# KiCad board FrontEnd_5G.kicad_pcb (continued)
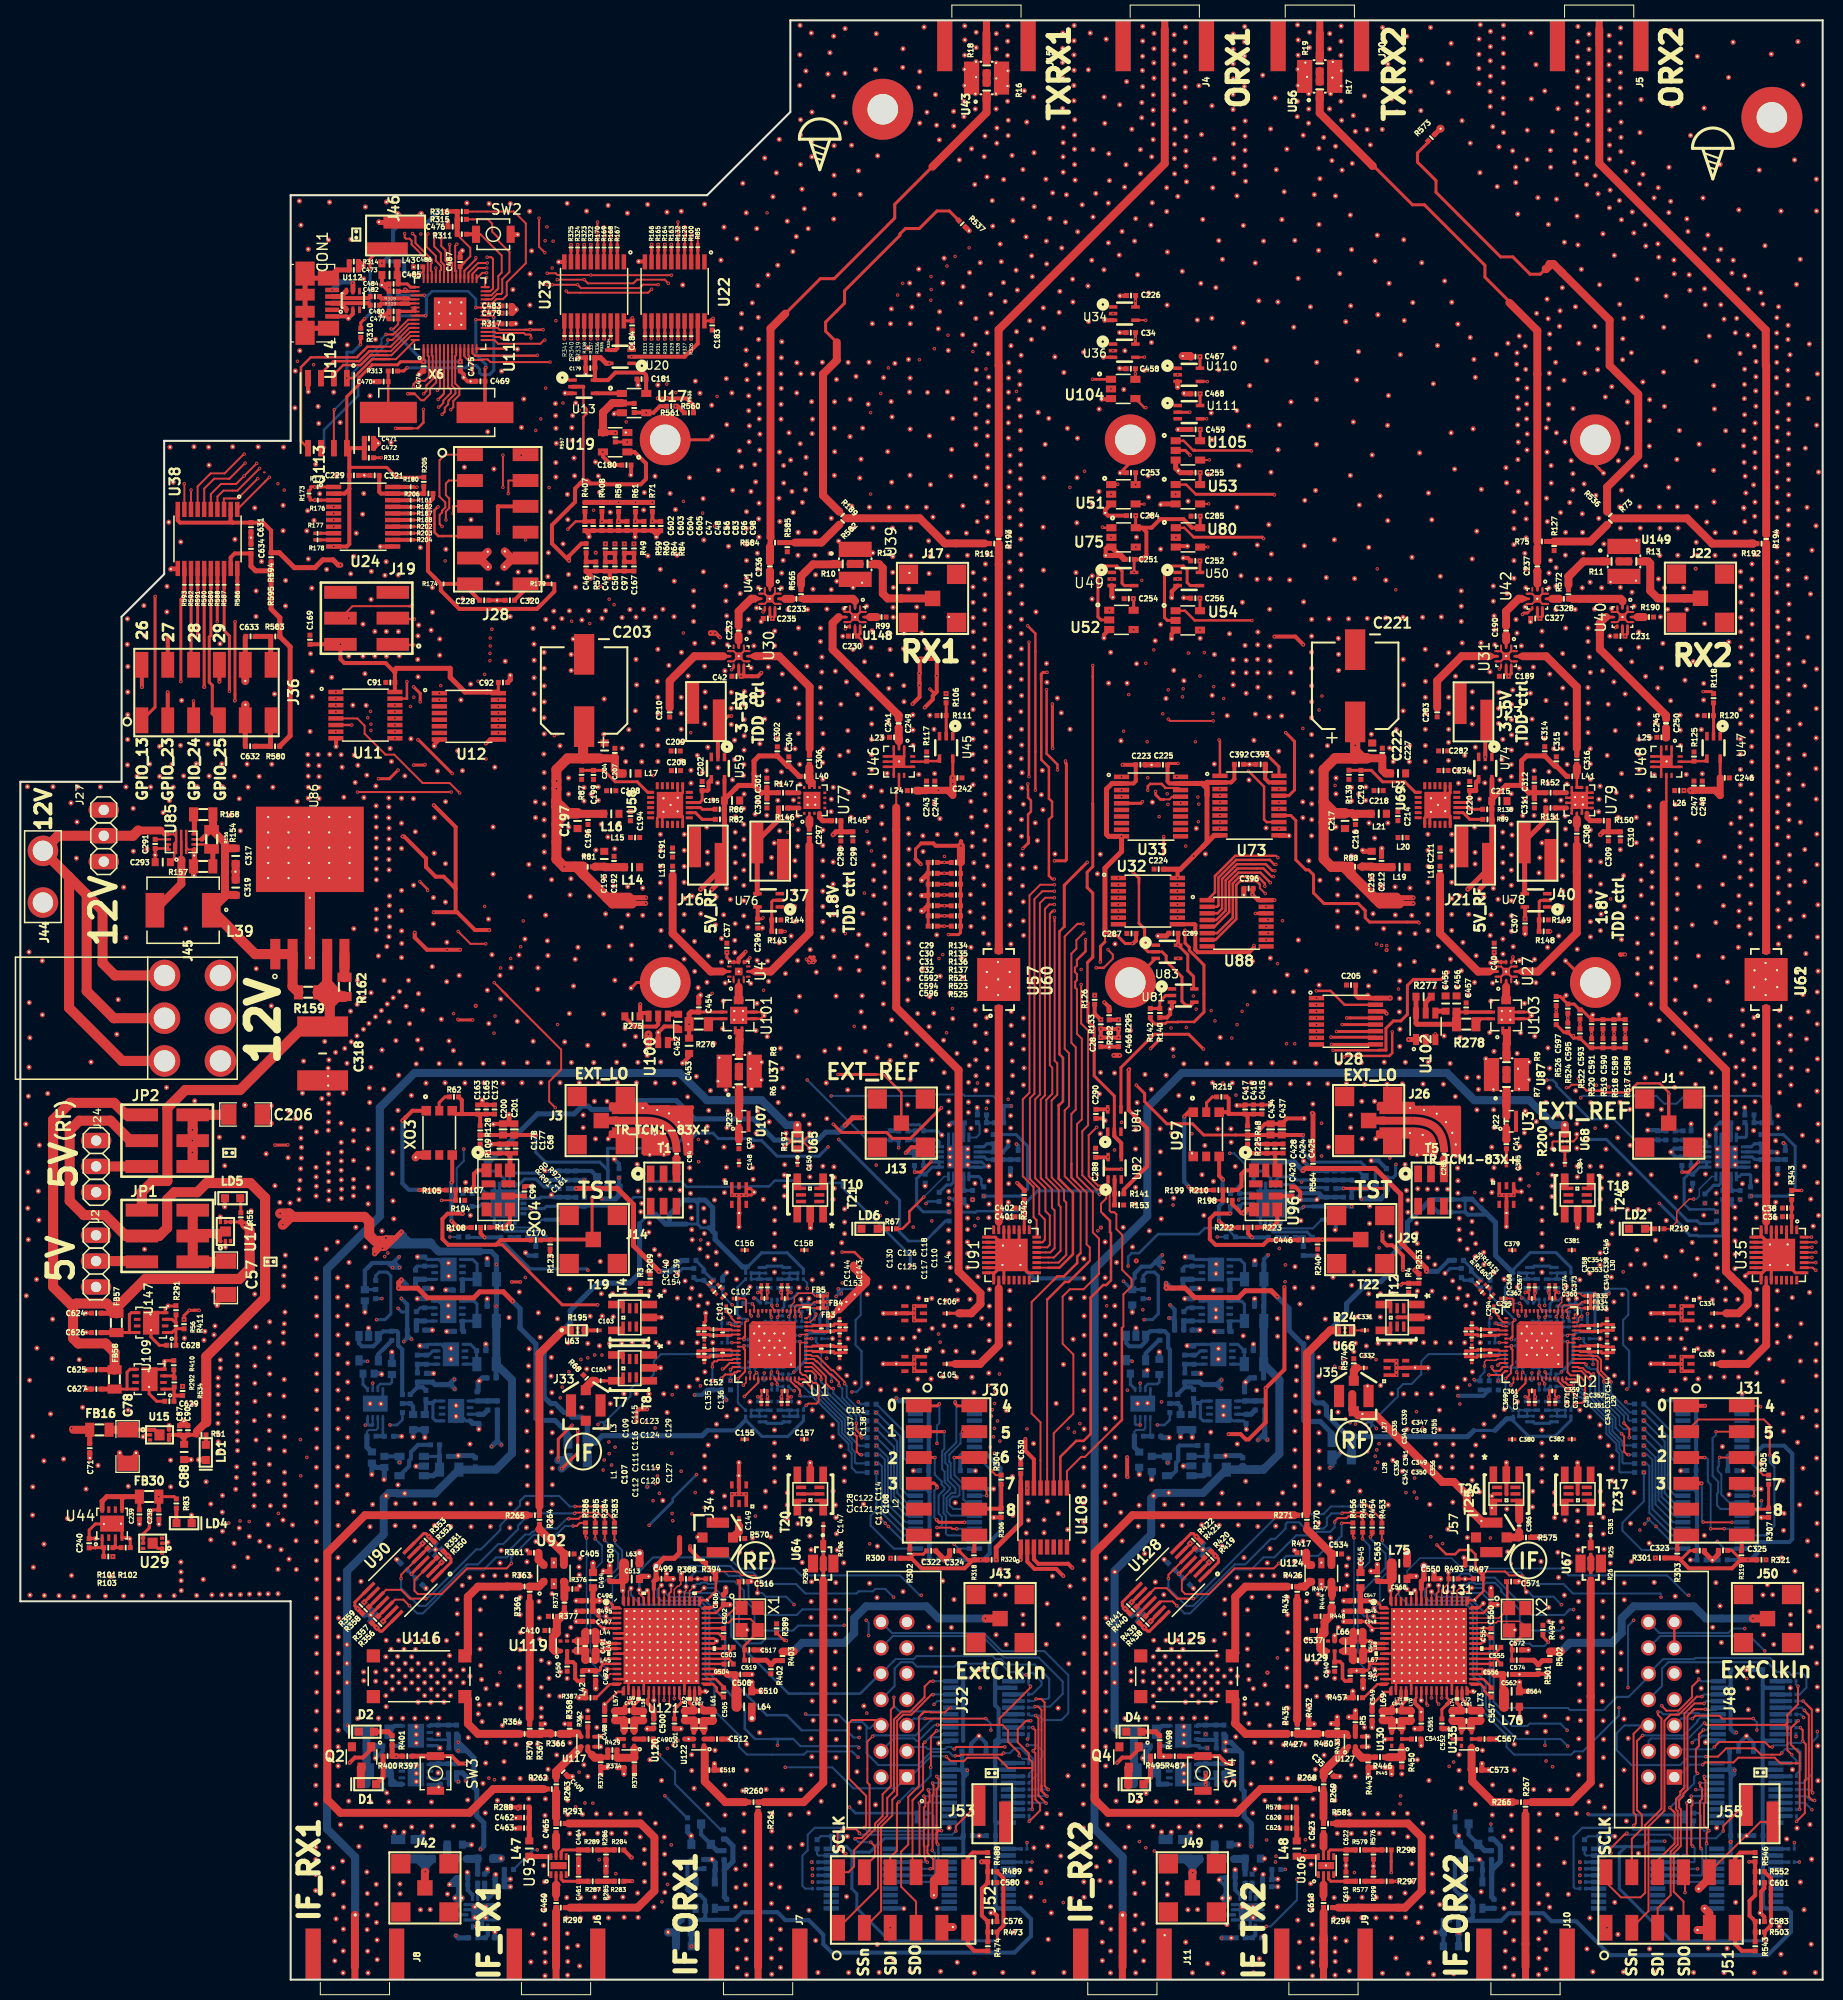
[diagram p0: board, top side]
## Nets (continued)
GND: C1.2 C2.2 C3.2 C4.2 C5.2 C6.2 C7.2 C8.2 C9.2 C10.2 C11.2 C12.2 C13.2 C14.2 C15.2 C16.2 C17.2 C18.2 C19.2 C20.2 C21.2 C22.2 C23.2 C24.2 C25.2 C26.2 C27.2 C28.1 C29.1 C30.1 C31.1 C32.1 C33.2 C34.1 C35.1 C36.2 C37.1 C38.2 C40.1 C42.1 C43.2 C44.2 C45.2 C46.2 C47.2 C48.2 C49.2 C50.2 C51.2 C52.2 C53.2 C54.2 C55.2 C56.2 C57.2 C58.2 C59.1 C60.2 C61.2 C62.2 C63.2 C64.2 C65.2 C66.2 C67.2 C68.2 C69.2 C71.2 C72.2 C73.1 C74.1 C75.2 C76.2 C77.2 C78.2 C80.2 C81.2 C82.1 C83.2 C86.2 C87.2 C88.2 C90.2 C91.2 C92.2 C93.2 C95.2 C96.2 C97.2 C98.2 C99.2 C111.1 C112.2 C113.1 C114.2 C115.1 C116.2 C117.1 C118.2 C131.2 C132.2 C133.2 C134.2 C141.2 C142.2 C145.2 C146.2 C159.1 C160.2 C163.2 C164.2 C165.1 C166.1 C167.2 C168.2 C169.2 C173.1 C174.1 C175.2 C176.2 C177.1 C178.1 C179.2 C180.2 C181.2 C182.2 C183.2 C184.2 C185.2 C186.2 C187.2 C188.2 C189.1 C192.1 C193.1 C195.2 C196.2 C197.2 C198.2 C199.1 C200.2 C201.2 C202.2 C203.2 C204.2 C205.2 C206.2 C207.2 C208.2 C209.2 C212.1 C213.1 C215.2 C216.2 C217.2 C218.2 C219.1 C220.2 C221.2 C222.2 C223.2 C224.2 C225.2 C226.1 C227.2 C228.2 C229.2 C230.1 C231.1 C234.2 C235.1 C238.2 C239.2 C240.2 C242.1 C243.2 C244.2 C246.1 C247.2 C248.2 C251.1 C252.1 C253.1 C254.1 C255.1 C256.1 C257.2 C258.2 C259.2 C260.2 C261.2 C262.2 C263.2 C264.2 C265.2 C266.2 C267.2 C268.2 C269.2 C270.2 C271.2 C272.2 C273.2 C274.2 C275.2 C276.2 C277.2 C278.2 C279.2 C280.2 C281.2 C282.2 C284.1 C285.1 C287.1 C288.1 C289.1 C290.1 C291.2 C293.1 C296.1 C298.1 C299.1 C300.2 C301.1 C302.1 C304.1 C305.2 C307.1 C309.1 C310.1 C311.2 C312.1 C314.1 C315.1 C317.1 C318.2 C319.1 C320.2 C321.2 C322.2 C323.2 C324.2 C325.2 C326.2 C327.1 C329.2 C330.2 C339.1 C340.2 C341.1 C342.2 C343.1 C344.2 C345.1 C346.2 C363.2 C364.2 C365.2 C366.2 C375.2 C376.2 C377.2 C378.2 C387.2 C388.2 C389.2 C390.2 C391.2 C392.2 C393.2 C394.2 C395.2 C396.2 C397.1 C398.1 C399.1 C400.1 C401.2 C402.2 C403.1 C404.1 C405.1 C406.1 C407.1 C408.1 C409.1 C410.2 C411.1 C412.2 C413.2 C414.2 C415.2 C416.2 C417.2 C418.2 C420.2 C421.2 C422.2 C423.2 C424.2 C425.2 C426.1 C428.2 C429.2 C431.2 C432.2 C434.2 C436.2 C437.2 C439.2 C441.2 C442.2 C443.2 C444.2 C445.2 C447.2 C448.2 C449.2 C450.2 C451.2 C452.2 C453.1 C454.1 C455.2 C456.1 C457.1 C458.1 C459.1 C461.2 C462.1 C463.1 C464.1 C466.1 C467.1 C468.1 C469.2 C470.2 C471.2 C472.2 C473.2 C474.2 C475.2 C476.2 C477.2 C478.1 C479.1 C480.2 C481.1 C482.2 C483.1 C484.1 C485.1 C486.2 C487.2 C488.2 C489.2 C490.2 C492.2 C494.1 C495.2 C496.1 C497.2 C498.2 C499.1 C500.2 C501.2 C506.1 C508.1 C509.1 C510.1 C512.1 C513.1 C515.1 C516.2 C517.2 C518.1 C520.2 C521.1 C522.2 C523.1 C524.1 C525.2 C526.2 C527.1 C528.1 C529.1 C530.1 C531.1 C532.1 C533.1 C534.1 C535.2 C536.1 C537.2 C538.1 C539.1 C540.2 C541.2 C543.2 C545.1 C546.2 C547.1 C548.2 C549.2 C550.1 C551.2 C552.2 C559.1 C560.1 C562.1 C563.1 C564.1 C565.2 C566.1 C567.1 C568.1 C569.2 C570.1 C571.2 C572.2 C573.1 C575.2 C576.2 C577.2 C578.2 C579.2 C580.2 C581.2 C582.1 C583.2 C584.2 C585.2 C586.2 C587.2 C588.1 C589.1 C590.1 C591.1 C592.1 C593.1 C594.1 C595.1 C596.1 C597.1 C598.2 C599.2 C600.2 C601.2 C602.2 C603.2 C604.2 C605.2 C606.2 C607.2 C608.2 C609.2 C610.1 C611.2 C612.2 C613.2 C614.2 C615.2 C616.1 C617.2 C619.2 C620.1 C621.1 C622.1 C624.2 C625.2 C626.2 C627.2 C628.2 C629.2 C630.2 C631.2 C632.2 C633.2 C634.2 CON1.5 D2.2 D4.2 GND_VIA.1 GND_VIA#3.1 GND_VIA#4.1 GND_VIA#5.1 GND_VIA#6.1 GND_VIA#7.1 GND_VIA#8.1 GND_VIA#9.1 GND_VIA#10.1 GND_VIA#11.1 GND_VIA#12.1 GND_VIA#13.1 GND_VIA#14.1 GND_VIA#15.1 GND_VIA#16.1 GND_VIA#17.1 GND_VIA#20. GND_VIA#21. GND_VIA#22. GND_VIA#23. GND_VIA#24. GND_VIA#25. GND_VIA#26. GND_VIA#27. GND_VIA#28. GND_VIA#29. GND_VIA#30. GND_VIA#31. GND_VIA#32. GND_VIA#33. GND_VIA#34. GND_VIA#35. GND_VIA#36. GND_VIA#37. GND_VIA#38. GND_VIA#39. GND_VIA#40. GND_VIA#41. GND_VIA#42. GND_VIA#43. GND_VIA#44. GND_VIA#45. GND_VIA#46. GND_VIA#47. GND_VIA#48. GND_VIA#49. GND_VIA#50. GND_VIA#51. GND_VIA#52. GND_VIA#53. GND_VIA#54. GND_VIA#55. GND_VIA#56. GND_VIA#57. GND_VIA#58. GND_VIA#59. GND_VIA#60. GND_VIA#61. GND_VIA#62. GND_VIA#63. GND_VIA#64. GND_VIA#65. GND_VIA#66. GND_VIA#67. GND_VIA#68. GND_VIA#69. GND_VIA#70. GND_VIA#71. GND_VIA#72. GND_VIA#73. GND_VIA#74. GND_VIA#75. GND_VIA#76. GND_VIA#77. GND_VIA#78. GND_VIA#79. GND_VIA#80. GND_VIA#81. GND_VIA#82. GND_VIA#83. GND_VIA#84. GND_VIA#85. GND_VIA#86. GND_VIA#87. GND_VIA#88. GND_VIA#89. GND_VIA#90. GND_VIA#91. GND_VIA#92. GND_VIA#93. GND_VIA#94. GND_VIA#95. GND_VIA#96. GND_VIA#97. GND_VIA#98. GND_VIA#99. GND_VIA#100. GND_VIA#101. GND_VIA#102. GND_VIA#103. GND_VIA#104. GND_VIA#105. GND_VIA#106. GND_VIA#107. GND_VIA#108. GND_VIA#109. GND_VIA#110. GND_VIA#111. GND_VIA#112. GND_VIA#113. GND_VIA#114. GND_VIA#115. GND_VIA#116. GND_VIA#117. GND_VIA#118. GND_VIA#119. GND_VIA#120. GND_VIA#121. GND_VIA#122. GND_VIA#123. GND_VIA#124. GND_VIA#125. GND_VIA#126. GND_VIA#127. GND_VIA#128. GND_VIA#129. GND_VIA#130. GND_VIA#131. GND_VIA#132. GND_VIA#133. GND_VIA#134. GND_VIA#135. GND_VIA#136. GND_VIA#137. GND_VIA#138. GND_VIA#139. GND_VIA#140. GND_VIA#141. GND_VIA#142. GND_VIA#143. GND_VIA#144. GND_VIA#145. GND_VIA#146. GND_VIA#147. GND_VIA#148. GND_VIA#149. GND_VIA#150. GND_VIA#151. GND_VIA#152. GND_VIA#153. GND_VIA#154. GND_VIA#155. GND_VIA#156. GND_VIA#157. GND_VIA#158. GND_VIA#159. GND_VIA#160. GND_VIA#161. GND_VIA#162. GND_VIA#163. GND_VIA#164. GND_VIA#165. GND_VIA#166. GND_VIA#167. GND_VIA#168. GND_VIA#169. GND_VIA#170. GND_VIA#171. GND_VIA#172. GND_VIA#173. GND_VIA#174. GND_VIA#175. GND_VIA#176. GND_VIA#177. GND_VIA#178. GND_VIA#179. GND_VIA#180. GND_VIA#181. GND_VIA#182. GND_VIA#183. GND_VIA#184. GND_VIA#185. GND_VIA#186. GND_VIA#187. GND_VIA#188. GND_VIA#189. GND_VIA#190. GND_VIA#191. GND_VIA#192. GND_VIA#193. GND_VIA#194. GND_VIA#195. GND_VIA#196. GND_VIA#197. GND_VIA#198. GND_VIA#199. GND_VIA#200. GND_VIA#201. GND_VIA#202. GND_VIA#203. GND_VIA#204. GND_VIA#205. GND_VIA#206. GND_VIA#207. GND_VIA#208. GND_VIA#209. GND_VIA#210. GND_VIA#211. GND_VIA#212. GND_VIA#213. GND_VIA#214. GND_VIA#215. GND_VIA#216. GND_VIA#217. GND_VIA#218. GND_VIA#219. GND_VIA#220. GND_VIA#221. GND_VIA#222. GND_VIA#223. GND_VIA#224. GND_VIA#225. GND_VIA#226. GND_VIA#227. GND_VIA#228. GND_VIA#229. GND_VIA#230. GND_VIA#231. GND_VIA#232. GND_VIA#233. GND_VIA#234. GND_VIA#235. GND_VIA#236. GND_VIA#237. GND_VIA#238. GND_VIA#239. GND_VIA#240. GND_VIA#241. GND_VIA#242. GND_VIA#243. GND_VIA#244. GND_VIA#245. GND_VIA#246. GND_VIA#247. GND_VIA#248. GND_VIA#249. GND_VIA#250. GND_VIA#251. GND_VIA#252. GND_VIA#253. GND_VIA#254. GND_VIA#255. GND_VIA#256. GND_VIA#257. GND_VIA#258. GND_VIA#259. GND_VIA#260. GND_VIA#261. GND_VIA#262. GND_VIA#263. GND_VIA#264. GND_VIA#265. GND_VIA#266. GND_VIA#267. GND_VIA#268. GND_VIA#269. GND_VIA#270. GND_VIA#271. GND_VIA#272. GND_VIA#273. GND_VIA#274. GND_VIA#275. GND_VIA#276. GND_VIA#277. GND_VIA#278. GND_VIA#279. GND_VIA#280. GND_VIA#281. GND_VIA#282. GND_VIA#283. GND_VIA#284. GND_VIA#285. GND_VIA#286. GND_VIA#287. GND_VIA#288. GND_VIA#289. GND_VIA#290. GND_VIA#291. GND_VIA#292. GND_VIA#293. GND_VIA#294. GND_VIA#295. GND_VIA#296. GND_VIA#297. GND_VIA#298. GND_VIA#299. GND_VIA#300. GND_VIA#301. GND_VIA#302. GND_VIA#303. GND_VIA#304. GND_VIA#305. GND_VIA#306. GND_VIA#307. GND_VIA#308. GND_VIA#309. GND_VIA#310. GND_VIA#311. GND_VIA#312. GND_VIA#313. GND_VIA#314. GND_VIA#315. GND_VIA#316. GND_VIA#317. GND_VIA#318. GND_VIA#319. GND_VIA#320. GND_VIA#321. GND_VIA#322. GND_VIA#323. GND_VIA#324. GND_VIA#325. GND_VIA#326. GND_VIA#327. GND_VIA#328. GND_VIA#329. GND_VIA#330. GND_VIA#331. GND_VIA#332. GND_VIA#333. GND_VIA#334. GND_VIA#335. GND_VIA#336. GND_VIA#337. GND_VIA#338. GND_VIA#339. GND_VIA#340. GND_VIA#341. GND_VIA#342. GND_VIA#343. GND_VIA#344. GND_VIA#345. GND_VIA#346. GND_VIA#347. GND_VIA#348. GND_VIA#349. GND_VIA#350. GND_VIA#351. GND_VIA#352. GND_VIA#353. GND_VIA#354. GND_VIA#355. GND_VIA#356. GND_VIA#357. GND_VIA#358. GND_VIA#359. GND_VIA#360. GND_VIA#361. GND_VIA#362. GND_VIA#363. GND_VIA#364. GND_VIA#365. GND_VIA#366. GND_VIA#367. GND_VIA#368. GND_VIA#369. GND_VIA#370. GND_VIA#371. GND_VIA#372. GND_VIA#373. GND_VIA#374. GND_VIA#375. GND_VIA#376. GND_VIA#377. GND_VIA#378. GND_VIA#379. GND_VIA#380. GND_VIA#381. GND_VIA#382. GND_VIA#383. GND_VIA#384. GND_VIA#385. GND_VIA#386. GND_VIA#387. GND_VIA#388. GND_VIA#389. GND_VIA#390. GND_VIA#391. GND_VIA#392. GND_VIA#393. GND_VIA#394. GND_VIA#395. GND_VIA#396. GND_VIA#397. GND_VIA#398. GND_VIA#399. GND_VIA#400. GND_VIA#401. GND_VIA#402. GND_VIA#403. GND_VIA#404. GND_VIA#405. GND_VIA#406. GND_VIA#407. GND_VIA#408. GND_VIA#409. GND_VIA#410. GND_VIA#411. GND_VIA#412. GND_VIA#413. GND_VIA#414. GND_VIA#415. GND_VIA#416. GND_VIA#417. GND_VIA#418. GND_VIA#419. GND_VIA#420. GND_VIA#421. GND_VIA#422. GND_VIA#423. GND_VIA#424. GND_VIA#425. GND_VIA#426. GND_VIA#427. GND_VIA#428. GND_VIA#429. GND_VIA#430. GND_VIA#431. GND_VIA#432. GND_VIA#433. GND_VIA#434. GND_VIA#435. GND_VIA#436. GND_VIA#437. GND_VIA#438. GND_VIA#439. GND_VIA#440. GND_VIA#441. GND_VIA#442. GND_VIA#443. GND_VIA#444. GND_VIA#445. GND_VIA#446. GND_VIA#447. GND_VIA#448. GND_VIA#449. GND_VIA#450. GND_VIA#451. GND_VIA#452. GND_VIA#453. GND_VIA#454. GND_VIA#455. GND_VIA#456. GND_VIA#457. GND_VIA#458. GND_VIA#459. GND_VIA#460. GND_VIA#461. GND_VIA#462. GND_VIA#463. GND_VIA#464. GND_VIA#465. GND_VIA#466. GND_VIA#467. GND_VIA#468. GND_VIA#469. GND_VIA#470. GND_VIA#471. GND_VIA#472. GND_VIA#473. GND_VIA#474. GND_VIA#475. GND_VIA#476. GND_VIA#477. GND_VIA#478. GND_VIA#479. GND_VIA#480. GND_VIA#481. GND_VIA#482. GND_VIA#483. GND_VIA#484. GND_VIA#485. GND_VIA#486. GND_VIA#487. GND_VIA#488. GND_VIA#489. GND_VIA#490. GND_VIA#491. GND_VIA#492. GND_VIA#493. GND_VIA#494. GND_VIA#495. GND_VIA#496. GND_VIA#497. GND_VIA#498. GND_VIA#499. GND_VIA#500. GND_VIA#501. GND_VIA#502. GND_VIA#503. GND_VIA#504. GND_VIA#505. GND_VIA#506. GND_VIA#507. GND_VIA#508. GND_VIA#509. GND_VIA#510. GND_VIA#511. GND_VIA#512. GND_VIA#513. GND_VIA#514. GND_VIA#515. GND_VIA#516. GND_VIA#517. GND_VIA#518. GND_VIA#519. GND_VIA#520. GND_VIA#521. GND_VIA#522. GND_VIA#523. GND_VIA#524. GND_VIA#525. GND_VIA#526. GND_VIA#527. GND_VIA#528. GND_VIA#529. GND_VIA#530. GND_VIA#531. GND_VIA#532. GND_VIA#533. GND_VIA#534. GND_VIA#535. GND_VIA#536. GND_VIA#537. GND_VIA#538. GND_VIA#539. GND_VIA#540. GND_VIA#541. GND_VIA#542. GND_VIA#543. GND_VIA#544. GND_VIA#545. GND_VIA#546. GND_VIA#547. GND_VIA#548. GND_VIA#549. GND_VIA#550. GND_VIA#551. GND_VIA#552. GND_VIA#553. GND_VIA#554. GND_VIA#555. GND_VIA#556. GND_VIA#557. GND_VIA#558. GND_VIA#559. GND_VIA#560. GND_VIA#561. GND_VIA#562. GND_VIA#563. GND_VIA#564. GND_VIA#565. GND_VIA#566. GND_VIA#567. GND_VIA#568. GND_VIA#569. GND_VIA#570. GND_VIA#571. GND_VIA#572. GND_VIA#573. GND_VIA#574. GND_VIA#575. GND_VIA#576. GND_VIA#577. GND_VIA#578. GND_VIA#579. GND_VIA#580. GND_VIA#581. GND_VIA#582. GND_VIA#583. GND_VIA#584. GND_VIA#585. GND_VIA#586. GND_VIA#587. GND_VIA#588. GND_VIA#589. GND_VIA#590. GND_VIA#591. GND_VIA#592. GND_VIA#593. GND_VIA#594. GND_VIA#595. GND_VIA#596. GND_VIA#597. GND_VIA#598. GND_VIA#599. GND_VIA#600. GND_VIA#601. GND_VIA#602. GND_VIA#603. GND_VIA#604. GND_VIA#605. GND_VIA#606. GND_VIA#607. GND_VIA#608. GND_VIA#609. GND_VIA#610. GND_VIA#611. GND_VIA#612. GND_VIA#613. GND_VIA#614. GND_VIA#615. GND_VIA#616. GND_VIA#617. GND_VIA#618. GND_VIA#619. GND_VIA#620. GND_VIA#621. GND_VIA#622. GND_VIA#623. GND_VIA#624. GND_VIA#625. GND_VIA#626. GND_VIA#627. GND_VIA#628. GND_VIA#629. GND_VIA#630. GND_VIA#631. GND_VIA#632. GND_VIA#633. GND_VIA#634. GND_VIA#635. GND_VIA#636. GND_VIA#637. GND_VIA#638. GND_VIA#639. GND_VIA#640. GND_VIA#641. GND_VIA#642. GND_VIA#643. GND_VIA#644. GND_VIA#645. GND_VIA#646. GND_VIA#647. GND_VIA#648. GND_VIA#649. GND_VIA#650. GND_VIA#651. GND_VIA#652. GND_VIA#653. GND_VIA#654. GND_VIA#655. GND_VIA#656. GND_VIA#657. GND_VIA#658. GND_VIA#659. GND_VIA#660. GND_VIA#661. GND_VIA#662. GND_VIA#663. GND_VIA#664. GND_VIA#665. GND_VIA#666. GND_VIA#667. GND_VIA#668. GND_VIA#669. GND_VIA#670. GND_VIA#671. GND_VIA#672. GND_VIA#673. GND_VIA#674. GND_VIA#675. GND_VIA#676. GND_VIA#677. GND_VIA#678. GND_VIA#679. GND_VIA#680. GND_VIA#681. GND_VIA#682. GND_VIA#683. GND_VIA#684. GND_VIA#685. GND_VIA#686. GND_VIA#687. GND_VIA#688. GND_VIA#689. GND_VIA#690. GND_VIA#691. GND_VIA#692. GND_VIA#693. GND_VIA#694. GND_VIA#695. GND_VIA#696. GND_VIA#697. GND_VIA#698. GND_VIA#699. GND_VIA#700. GND_VIA#701. GND_VIA#702. GND_VIA#703. GND_VIA#704. GND_VIA#705. GND_VIA#706. GND_VIA#707. GND_VIA#708. GND_VIA#709. GND_VIA#710. GND_VIA#711. GND_VIA#712. GND_VIA#713. GND_VIA#714. GND_VIA#715. GND_VIA#716. GND_VIA#717. GND_VIA#718. GND_VIA#719. GND_VIA#720. GND_VIA#721. GND_VIA#722. GND_VIA#723. GND_VIA#724. GND_VIA#725. GND_VIA#726. GND_VIA#727. GND_VIA#728. GND_VIA#729. GND_VIA#730. GND_VIA#731. GND_VIA#732. GND_VIA#733. GND_VIA#734. GND_VIA#735. GND_VIA#736. GND_VIA#737. GND_VIA#738. GND_VIA#739. GND_VIA#740. GND_VIA#741. GND_VIA#742. GND_VIA#743. GND_VIA#744. GND_VIA#745. GND_VIA#746. GND_VIA#747. GND_VIA#748. GND_VIA#749. GND_VIA#750. GND_VIA#751. GND_VIA#752. GND_VIA#753. GND_VIA#754. GND_VIA#755. GND_VIA#756. GND_VIA#757. GND_VIA#758. GND_VIA#759. GND_VIA#760. GND_VIA#761. GND_VIA#762. GND_VIA#763. GND_VIA#764. GND_VIA#765. GND_VIA#766. GND_VIA#767. GND_VIA#768. GND_VIA#769. GND_VIA#770. GND_VIA#771. GND_VIA#772. GND_VIA#773. GND_VIA#774. GND_VIA#775. GND_VIA#776. GND_VIA#777. GND_VIA#778. GND_VIA#779. GND_VIA#780. GND_VIA#781. GND_VIA#782. GND_VIA#783. GND_VIA#784. GND_VIA#785. GND_VIA#786. GND_VIA#787. GND_VIA#788. GND_VIA#789. GND_VIA#790. GND_VIA#791. GND_VIA#792. GND_VIA#793. GND_VIA#794. GND_VIA#795. GND_VIA#796. GND_VIA#797. GND_VIA#798. GND_VIA#799. GND_VIA#800. GND_VIA#801. GND_VIA#802. GND_VIA#803. GND_VIA#804. GND_VIA#805. GND_VIA#806. GND_VIA#807. GND_VIA#808. GND_VIA#809. GND_VIA#810. GND_VIA#811. GND_VIA#812. GND_VIA#813. GND_VIA#814. GND_VIA#815. GND_VIA#816. GND_VIA#817. GND_VIA#818. GND_VIA#819. GND_VIA#820. GND_VIA#821. GND_VIA#822. GND_VIA#823. GND_VIA#824. GND_VIA#825. GND_VIA#826. GND_VIA#827. GND_VIA#828. GND_VIA#829. GND_VIA#830. GND_VIA#831. GND_VIA#832. GND_VIA#833. GND_VIA#834. GND_VIA#835. GND_VIA#836. GND_VIA#837. GND_VIA#838. GND_VIA#839. GND_VIA#840. GND_VIA#841. GND_VIA#842. GND_VIA#843. GND_VIA#844. GND_VIA#845. GND_VIA#846. GND_VIA#847. GND_VIA#848. GND_VIA#849. GND_VIA#850. GND_VIA#851. GND_VIA#852. GND_VIA#853. GND_VIA#854. GND_VIA#855. GND_VIA#856. GND_VIA#857. GND_VIA#858. GND_VIA#859. GND_VIA#860. GND_VIA#861. GND_VIA#862. GND_VIA#863. GND_VIA#864. GND_VIA#865. GND_VIA#866. GND_VIA#867. GND_VIA#868. GND_VIA#869. GND_VIA#870. GND_VIA#871. GND_VIA#872. GND_VIA#873. GND_VIA#874. GND_VIA#875. GND_VIA#876. GND_VIA#877. GND_VIA#878. GND_VIA#879. GND_VIA#880. GND_VIA#881. GND_VIA#882. GND_VIA#883. GND_VIA#884. GND_VIA#885. GND_VIA#886. GND_VIA#887. GND_VIA#888. GND_VIA#889. GND_VIA#890. GND_VIA#891. GND_VIA#892. GND_VIA#893. GND_VIA#894. GND_VIA#895. GND_VIA#896. GND_VIA#897. GND_VIA#898. GND_VIA#899. GND_VIA#900. GND_VIA#901. GND_VIA#902. GND_VIA#903. GND_VIA#904. GND_VIA#905. GND_VIA#906. GND_VIA#907. GND_VIA#908. GND_VIA#909. GND_VIA#910. GND_VIA#911. GND_VIA#912. GND_VIA#913. GND_VIA#914. GND_VIA#915. GND_VIA#916. GND_VIA#917. GND_VIA#918. GND_VIA#919. GND_VIA#920. GND_VIA#921. GND_VIA#922. GND_VIA#923. GND_VIA#924. GND_VIA#925. GND_VIA#926. GND_VIA#927. GND_VIA#928. GND_VIA#929. GND_VIA#930. GND_VIA#931. GND_VIA#932. GND_VIA#933. GND_VIA#934. GND_VIA#935. GND_VIA#936. GND_VIA#937. GND_VIA#938. GND_VIA#939. GND_VIA#940. GND_VIA#941. GND_VIA#942. GND_VIA#943. GND_VIA#944. GND_VIA#945. GND_VIA#946. GND_VIA#947. GND_VIA#948. GND_VIA#949. GND_VIA#950. GND_VIA#951. GND_VIA#952. GND_VIA#953. GND_VIA#954. GND_VIA#955. GND_VIA#956. GND_VIA#957. GND_VIA#958. GND_VIA#959. GND_VIA#960. GND_VIA#961. GND_VIA#962. GND_VIA#963. GND_VIA#964. GND_VIA#965. GND_VIA#966. GND_VIA#967. GND_VIA#968. GND_VIA#969. GND_VIA#970. GND_VIA#971. GND_VIA#972. GND_VIA#973. GND_VIA#974. GND_VIA#975. GND_VIA#976. GND_VIA#977. GND_VIA#978. GND_VIA#979. GND_VIA#980. GND_VIA#981. GND_VIA#982. GND_VIA#983. GND_VIA#984. GND_VIA#985. GND_VIA#986. GND_VIA#987. GND_VIA#988. GND_VIA#989. GND_VIA#990. GND_VIA#991. GND_VIA#992. GND_VIA#993. GND_VIA#994. GND_VIA#995. GND_VIA#996. GND_VIA#997. GND_VIA#998. GND_VIA#999. GND_VIA#1000. GND_VIA#1001. GND_VIA#1002. GND_VIA#1003. GND_VIA#1004. GND_VIA#1005. GND_VIA#1006. GND_VIA#1007. GND_VIA#1008. GND_VIA#1009. GND_VIA#1010. GND_VIA#1011. GND_VIA#1012. GND_VIA#1013. GND_VIA#1014. GND_VIA#1015. GND_VIA#1016. GND_VIA#1017. GND_VIA#1018. GND_VIA#1019. GND_VIA#1020. GND_VIA#1021. GND_VIA#1022. GND_VIA#1023. GND_VIA#1024. GND_VIA#1025. GND_VIA#1026. GND_VIA#1027. GND_VIA#1028. GND_VIA#1029. GND_VIA#1030. GND_VIA#1031. GND_VIA#1032. GND_VIA#1033. GND_VIA#1034. GND_VIA#1035. GND_VIA#1036. GND_VIA#1037. GND_VIA#1038. GND_VIA#1039. GND_VIA#1040. GND_VIA#1041. GND_VIA#1042. GND_VIA#1043. GND_VIA#1044. GND_VIA#1045. GND_VIA#1046. GND_VIA#1047. GND_VIA#1048. GND_VIA#1049. GND_VIA#1050. GND_VIA#1051. GND_VIA#1052. GND_VIA#1053. GND_VIA#1054. GND_VIA#1055. GND_VIA#1056. GND_VIA#1057. GND_VIA#1058. GND_VIA#1059. GND_VIA#1060. GND_VIA#1061. GND_VIA#1062. GND_VIA#1063. GND_VIA#1064. GND_VIA#1065. GND_VIA#1066. GND_VIA#1067. GND_VIA#1068. GND_VIA#1069. GND_VIA#1070. GND_VIA#1071. GND_VIA#1072. GND_VIA#1073. GND_VIA#1074. GND_VIA#1075. GND_VIA#1076. GND_VIA#1077. GND_VIA#1078. GND_VIA#1079. GND_VIA#1080. GND_VIA#1081. GND_VIA#1082. GND_VIA#1083. GND_VIA#1084. GND_VIA#1085. GND_VIA#1086. GND_VIA#1087. GND_VIA#1088. GND_VIA#1089. GND_VIA#1090. GND_VIA#1091. GND_VIA#1092. GND_VIA#1093. GND_VIA#1094. GND_VIA#1095. GND_VIA#1096. GND_VIA#1097. GND_VIA#1098. GND_VIA#1099. GND_VIA#1100. GND_VIA#1101. GND_VIA#1102. GND_VIA#1103. GND_VIA#1104. GND_VIA#1105. GND_VIA#1106. GND_VIA#1107. GND_VIA#1108. GND_VIA#1109. GND_VIA#1110. GND_VIA#1111. GND_VIA#1112. GND_VIA#1113. GND_VIA#1114. GND_VIA#1115. GND_VIA#1116. GND_VIA#1117. GND_VIA#1118. GND_VIA#1119. GND_VIA#1120. GND_VIA#1121. GND_VIA#1122. GND_VIA#1123. GND_VIA#1124. GND_VIA#1125. GND_VIA#1126. GND_VIA#1127. GND_VIA#1128. GND_VIA#1129. GND_VIA#1130. GND_VIA#1131. GND_VIA#1132. GND_VIA#1133. GND_VIA#1134. GND_VIA#1135. GND_VIA#1136. GND_VIA#1137. GND_VIA#1138. GND_VIA#1139. GND_VIA#1140. GND_VIA#1141. GND_VIA#1142. GND_VIA#1143. GND_VIA#1144. GND_VIA#1145. GND_VIA#1146. GND_VIA#1147. GND_VIA#1148. GND_VIA#1149. GND_VIA#1150. GND_VIA#1151. GND_VIA#1152. GND_VIA#1153. GND_VIA#1154. GND_VIA#1155. GND_VIA#1156. GND_VIA#1157. GND_VIA#1158. GND_VIA#1159. GND_VIA#1160. GND_VIA#1161. GND_VIA#1162. GND_VIA#1163. GND_VIA#1164. GND_VIA#1165. GND_VIA#1166. GND_VIA#1167. GND_VIA#1168. GND_VIA#1169. GND_VIA#1170. GND_VIA#1171. GND_VIA#1172. GND_VIA#1173. GND_VIA#1174. GND_VIA#1175. GND_VIA#1176. GND_VIA#1177. GND_VIA#1178. GND_VIA#1179. GND_VIA#1180. GND_VIA#1181. GND_VIA#1182. GND_VIA#1183. GND_VIA#1184. GND_VIA#1185. GND_VIA#1186. GND_VIA#1187. GND_VIA#1188. GND_VIA#1189. GND_VIA#1190. GND_VIA#1191. GND_VIA#1192. GND_VIA#1193. GND_VIA#1194. GND_VIA#1195. GND_VIA#1196. GND_VIA#1197. GND_VIA#1198. GND_VIA#1199. GND_VIA#1200. GND_VIA#1201. GND_VIA#1202. GND_VIA#1203. GND_VIA#1204. GND_VIA#1205. GND_VIA#1206. GND_VIA#1207. GND_VIA#1208. GND_VIA#1209. GND_VIA#1210. GND_VIA#1211. GND_VIA#1212. GND_VIA#1213. GND_VIA#1214. GND_VIA#1215. GND_VIA#1216. GND_VIA#1217. GND_VIA#1218. GND_VIA#1219. GND_VIA#1220. GND_VIA#1221. GND_VIA#1222. GND_VIA#1223. GND_VIA#1224. GND_VIA#1225. GND_VIA#1226. GND_VIA#1227. GND_VIA#1228. GND_VIA#1229. GND_VIA#1230. GND_VIA#1231. GND_VIA#1232. GND_VIA#1233. GND_VIA#1234. GND_VIA#1235. GND_VIA#1236. GND_VIA#1237. GND_VIA#1238. GND_VIA#1239. GND_VIA#1240. GND_VIA#1241. GND_VIA#1242. GND_VIA#1243. GND_VIA#1244. GND_VIA#1245. GND_VIA#1246. GND_VIA#1247. GND_VIA#1248. GND_VIA#1249. GND_VIA#1250. GND_VIA#1251. GND_VIA#1252. GND_VIA#1253. GND_VIA#1254. GND_VIA#1255. GND_VIA#1256. GND_VIA#1257. GND_VIA#1258. GND_VIA#1259. GND_VIA#1260. GND_VIA#1261. GND_VIA#1262. GND_VIA#1263. GND_VIA#1264. GND_VIA#1265. GND_VIA#1266. GND_VIA#1267. GND_VIA#1268. GND_VIA#1269. GND_VIA#1270. GND_VIA#1271. GND_VIA#1272. GND_VIA#1273. GND_VIA#1274. GND_VIA#1275. 